# Altium PCB Блок 1а (БУ АРМ).PcbDoc (part 1 of 4) (continued)
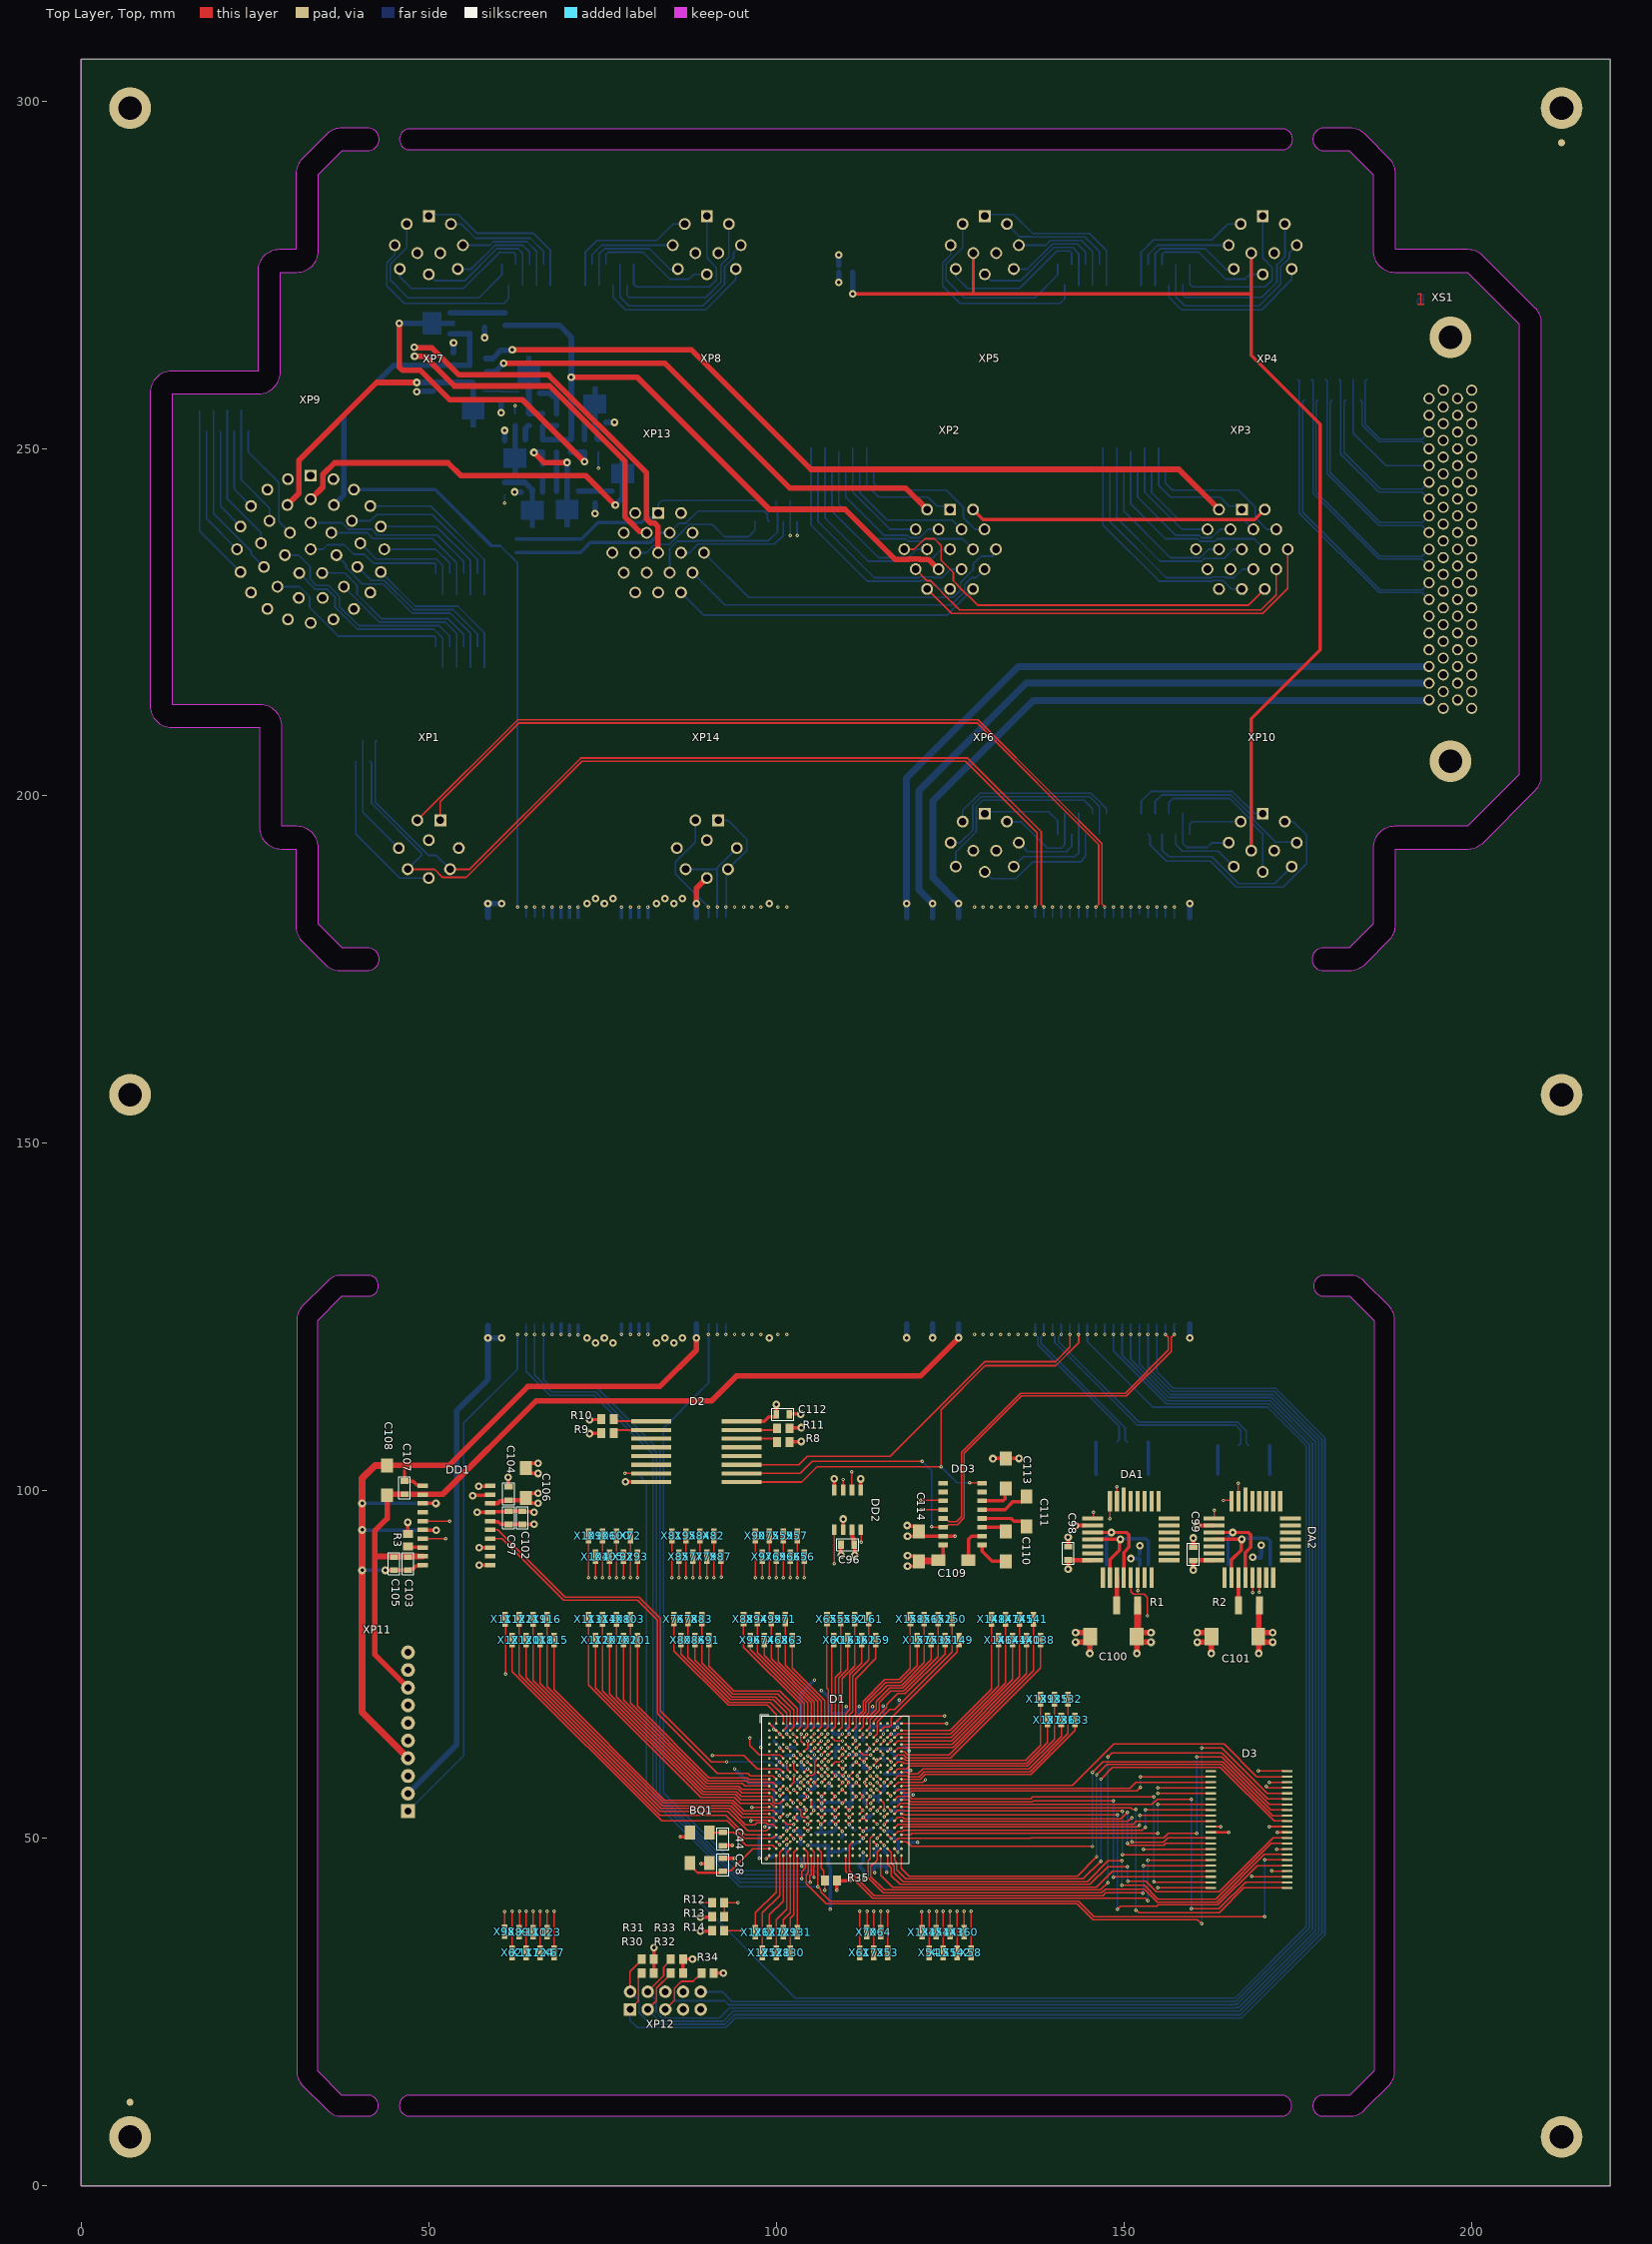
[diagram p0: Top Layer, Top view]
## Design rules (kind name [scope] priority, off if disabled: settings)
Clearance [All] p1: gap=0.2 ignorepadtopadclearanceinfootprint=FALSE
Height [All] p1 off: minheight=0 maxheight=25.4 prefheight=12.7
HoleSize [All] p1: absolutevalues=TRUE maxlimit=5 minlimit=0.025 maxpercent=80.000 minpercent=20.000
HoleToHoleClearance [All] p1: gap=0.3 allowstackedmicrovias=TRUE
MinimumSolderMaskSliver [All] p1: minsoldermaskwidth=0.1
PlaneClearance PadClr_N:CX0Y0D145AM [InPadClass('N:CX0Y0D145AM')] p1: clearance=0.5
PlaneClearance PadClr_N:CX0Y0D80TM [InPadClass('N:CX0Y0D80TM')] p2: clearance=1.016
PlaneClearance PadClr_N:NCX185Y185D130AM [InPadClass('N:NCX185Y185D130AM')] p3: clearance=0.5
PlaneClearance PadClr_P:CX270Y270D200AM [InPadClass('P:CX270Y270D200AM')] p4: clearance=0.5
PlaneClearance PadClr_P:CX600Y600D340AM [InPadClass('P:CX600Y600D340AM')] p5: clearance=1
PlaneClearance [All] p6: clearance=0.25
PlaneConnect PadTherm_N:CX0Y0D145AM [InPadClass('N:CX0Y0D145AM')] p1: planeconnectstyle=Relief reliefexpansion=0.275 reliefentries=4 reliefconductorwidth=0.5 reliefairgap=0.5
PlaneConnect PadTherm_N:CX0Y0D80TM [InPadClass('N:CX0Y0D80TM')] p2: planeconnectstyle=Relief reliefexpansion=0.175 reliefentries=4 reliefconductorwidth=0.233 reliefairgap=0.175
PlaneConnect PadTherm_N:CX300Y300D190TM [InPadClass('N:CX300Y300D190TM')] p3: planeconnectstyle=Relief reliefexpansion=0.475 reliefentries=4 reliefconductorwidth=0.633 reliefairgap=0.475
PlaneConnect PadTherm_N:NCX185Y185D130AM [InPadClass('N:NCX185Y185D130AM')] p4: planeconnectstyle=Relief reliefexpansion=0.325 reliefentries=4 reliefconductorwidth=0.4 reliefairgap=0.325
PlaneConnect PadTherm_P:CX130Y130D70AM [InPadClass('P:CX130Y130D70AM')] p5: planeconnectstyle=Relief reliefexpansion=0.3 reliefentries=4 reliefconductorwidth=0.25 reliefairgap=0.25
PlaneConnect PadTherm_P:CX135Y135D85AM [InPadClass('P:CX135Y135D85AM')] p6: planeconnectstyle=Relief reliefexpansion=0.213 reliefentries=4 reliefconductorwidth=0.283 reliefairgap=0.212
PlaneConnect PadTherm_P:CX150Y150D85AM [InPadClass('P:CX150Y150D85AM')] p7: planeconnectstyle=Relief reliefexpansion=0.213 reliefentries=4 reliefconductorwidth=0.283 reliefairgap=0.212
PlaneConnect PadTherm_P:CX150Y150D90AM [InPadClass('P:CX150Y150D90AM')] p8: planeconnectstyle=Relief reliefexpansion=0.3 reliefentries=4 reliefconductorwidth=0.3 reliefairgap=0.3
PlaneConnect PadTherm_P:CX170Y170D110AM [InPadClass('P:CX170Y170D110AM')] p9: planeconnectstyle=Relief reliefexpansion=0.3 reliefentries=4 reliefconductorwidth=0.3 reliefairgap=0.3
PlaneConnect PadTherm_P:CX175Y175D95AM [InPadClass('P:CX175Y175D95AM')] p10: planeconnectstyle=Relief reliefexpansion=0.275 reliefentries=4 reliefconductorwidth=0.3 reliefairgap=0.25
PlaneConnect PadTherm_P:CX250Y250D130TM [InPadClass('P:CX250Y250D130TM')] p11: planeconnectstyle=Relief reliefexpansion=0.325 reliefentries=4 reliefconductorwidth=0.4 reliefairgap=0.325
PlaneConnect PadTherm_P:CX270Y270D200AM [InPadClass('P:CX270Y270D200AM')] p12: planeconnectstyle=Relief reliefexpansion=0.5 reliefentries=4 reliefconductorwidth=0.667 reliefairgap=0.5
PlaneConnect PadTherm_P:CX600Y600D340AM [InPadClass('P:CX600Y600D340AM')] p13: planeconnectstyle=Relief reliefexpansion=0.85 reliefentries=4 reliefconductorwidth=1.133 reliefairgap=0.85
PlaneConnect PadTherm_P:OX40Y40D0TM [InPadClass('P:OX40Y40D0TM')] p14: planeconnectstyle=Relief reliefexpansion=0 reliefentries=4 reliefconductorwidth=0 reliefairgap=0
PlaneConnect PadTherm_P:POLIGON [InPadClass('P:POLIGON')] p15: planeconnectstyle=NoConnect reliefexpansion=0.508 reliefentries=4 reliefconductorwidth=0.254 reliefairgap=0.254
PlaneConnect PadTherm_P:Polygon_1Noga [InPadClass('P:Polygon_1Noga')] p16: planeconnectstyle=NoConnect reliefexpansion=0.508 reliefentries=4 reliefconductorwidth=0.254 reliefairgap=0.254
PlaneConnect PadTherm_P:RX110Y140D0TM [InPadClass('P:RX110Y140D0TM')] p17: planeconnectstyle=Relief reliefexpansion=0 reliefentries=4 reliefconductorwidth=0 reliefairgap=0
PlaneConnect PadTherm_P:RX110Y50D0TM [InPadClass('P:RX110Y50D0TM')] p18: planeconnectstyle=Relief reliefexpansion=0 reliefentries=4 reliefconductorwidth=0 reliefairgap=0
PlaneConnect PadTherm_P:RX120Y130D0TD [InPadClass('P:RX120Y130D0TD')] p19: planeconnectstyle=Relief reliefexpansion=0 reliefentries=4 reliefconductorwidth=0 reliefairgap=0
PlaneConnect "PadTherm_P:RX120Y130D0TD [1]" [InPadClass('P:RX120Y130D0TD [1]')] p20: planeconnectstyle=Relief reliefexpansion=0 reliefentries=4 reliefconductorwidth=0 reliefairgap=0
PlaneConnect PadTherm_P:RX200Y150D0TM [InPadClass('P:RX200Y150D0TM')] p21: planeconnectstyle=Relief reliefexpansion=0 reliefentries=4 reliefconductorwidth=0 reliefairgap=0
PlaneConnect PadTherm_P:RX210Y40D0TM [InPadClass('P:RX210Y40D0TM')] p22: planeconnectstyle=Relief reliefexpansion=0 reliefentries=4 reliefconductorwidth=0 reliefairgap=0
PlaneConnect PadTherm_P:RX210Y80D0TM [InPadClass('P:RX210Y80D0TM')] p23: planeconnectstyle=Relief reliefexpansion=0 reliefentries=4 reliefconductorwidth=0 reliefairgap=0
PlaneConnect PadTherm_P:RX300Y150D0TМ [InPadClass('P:RX300Y150D0TМ')] p24: planeconnectstyle=Relief reliefexpansion=0 reliefentries=4 reliefconductorwidth=0 reliefairgap=0
PlaneConnect PadTherm_P:RX300Y160D0TM [InPadClass('P:RX300Y160D0TM')] p25: planeconnectstyle=Relief reliefexpansion=0 reliefentries=4 reliefconductorwidth=0 reliefairgap=0
PlaneConnect PadTherm_P:RX300Y390D0TM [InPadClass('P:RX300Y390D0TM')] p26: planeconnectstyle=Relief reliefexpansion=0 reliefentries=4 reliefconductorwidth=0 reliefairgap=0
PlaneConnect PadTherm_P:RX300Y60D0TМ [InPadClass('P:RX300Y60D0TМ')] p27: planeconnectstyle=Relief reliefexpansion=0 reliefentries=4 reliefconductorwidth=0 reliefairgap=0
PlaneConnect PadTherm_P:RX32Y36D0TD [InPadClass('P:RX32Y36D0TD')] p28: planeconnectstyle=Relief reliefexpansion=0 reliefentries=4 reliefconductorwidth=0 reliefairgap=0
PlaneConnect PadTherm_P:RX330Y150D0TM [InPadClass('P:RX330Y150D0TM')] p29: planeconnectstyle=Relief reliefexpansion=0 reliefentries=4 reliefconductorwidth=0 reliefairgap=0
PlaneConnect PadTherm_P:RX350Y60D0TM [InPadClass('P:RX350Y60D0TM')] p30: planeconnectstyle=Relief reliefexpansion=0 reliefentries=4 reliefconductorwidth=0 reliefairgap=0
PlaneConnect PadTherm_P:RX375Y125D0TM [InPadClass('P:RX375Y125D0TM')] p31: planeconnectstyle=Relief reliefexpansion=0 reliefentries=4 reliefconductorwidth=0 reliefairgap=0
PlaneConnect PadTherm_P:RX500Y125D0TM [InPadClass('P:RX500Y125D0TM')] p32: planeconnectstyle=Relief reliefexpansion=0 reliefentries=4 reliefconductorwidth=0 reliefairgap=0
PlaneConnect "PadTherm_P:RX575Y60D0TM [1]" [InPadClass('P:RX575Y60D0TM [1]')] p33: planeconnectstyle=Relief reliefexpansion=0 reliefentries=4 reliefconductorwidth=0 reliefairgap=0
PlaneConnect "PadTherm_P:RX575Y60D0TMK [1]" [InPadClass('P:RX575Y60D0TMK [1]')] p34: planeconnectstyle=Relief reliefexpansion=0 reliefentries=4 reliefconductorwidth=0 reliefairgap=0
PlaneConnect PadTherm_P:RX60Y30D0TD [InPadClass('P:RX60Y30D0TD')] p35: planeconnectstyle=Relief reliefexpansion=0 reliefentries=4 reliefconductorwidth=0 reliefairgap=0
PlaneConnect PadTherm_P:RX70Y26D0TD [InPadClass('P:RX70Y26D0TD')] p36: planeconnectstyle=Relief reliefexpansion=0 reliefentries=4 reliefconductorwidth=0 reliefairgap=0
PlaneConnect PadTherm_P:RX85Y100D0TD [InPadClass('P:RX85Y100D0TD')] p37: planeconnectstyle=Relief reliefexpansion=0 reliefentries=4 reliefconductorwidth=0 reliefairgap=0
PlaneConnect PadTherm_P:RX85Y60D0TD [InPadClass('P:RX85Y60D0TD')] p38: planeconnectstyle=Relief reliefexpansion=0 reliefentries=4 reliefconductorwidth=0 reliefairgap=0
PlaneConnect PadTherm_P:SX130Y130D70AM [InPadClass('P:SX130Y130D70AM')] p39: planeconnectstyle=Relief reliefexpansion=0.3 reliefentries=4 reliefconductorwidth=0.25 reliefairgap=0.25
PlaneConnect PadTherm_P:SX170Y170D110AM [InPadClass('P:SX170Y170D110AM')] p40: planeconnectstyle=Relief reliefexpansion=0.3 reliefentries=4 reliefconductorwidth=0.3 reliefairgap=0.3
PlaneConnect PadTherm_P:SX54Y54D0TD [InPadClass('P:SX54Y54D0TD')] p41: planeconnectstyle=Relief reliefexpansion=0 reliefentries=4 reliefconductorwidth=0 reliefairgap=0
PlaneConnect PadTherm_P:SX670Y670D0TM [InPadClass('P:SX670Y670D0TM')] p42: planeconnectstyle=Relief reliefexpansion=0 reliefentries=4 reliefconductorwidth=0 reliefairgap=0
PlaneConnect PadTherm_reper [InPadClass('reper')] p43: planeconnectstyle=Relief reliefexpansion=0 reliefentries=4 reliefconductorwidth=0 reliefairgap=0
PlaneConnect [All] p44: planeconnectstyle=Relief reliefexpansion=0.508 reliefentries=4 reliefconductorwidth=0.254 reliefairgap=0.254
PolygonConnect [All] p1: connectstyle=Direct reliefconductorwidth=0.254 reliefentries=4 polygonreliefangle="90 Angle" airgapwidth=0.254
RoutingVias [All] p1: holewidth=0.3 width=0.7 viastyle="Through Hole" minholewidth=0.2 minwidth=0.4 maxholewidth=3 maxwidth=5
SilkToSilkClearance [All] p1 off: silktosilkclearance=0.1
SilkToSolderMaskClearance [IsPad] p1 off: minsilkscreentomaskgap=0.1 clearancetoexposedcopper=TRUE
SolderMaskExpansion [All] p1: expansion=0.05 istentingtop=FALSE
UnRoutedNet [InNetClass('All Nets')] p1:
Width [All] p1: maxlimit=3 minlimit=0.2 preferedwidth=0.25
21 further rules are at their usual default settings.

## Classes and differential pairs
component class MCU2: X52 X53 X54 X55 X56 X57 X58 X59 X60 X61 X62 X63 X64 X65 X66 X67 X68 X69 X70 X71 X72 X73 X74 X75 X76 X77 X78 X79 X80 X81 X82 X83 X84 X85 X86 X87 X88 X89 X90 X91 X92 X93 X94 X95 X96 X97 X98 X99 X100 X101 X102 X103 X104 X105 X106 X107 X108 X109 X110 X111 X112 X113 X114 X115 X116 X117 X118 X119 X120 X121 X122 X123 X124 X125 X126 X127 X128 X129 X130 X131 X132 X133 X134 X135 X136 X137 X138 X139 X140 X141 X142 X143 X144 X145 X146 X147 X148 X149 X150 X151 X152 X153 X154 X155 X156 X157 X158 X159 X160 X161 X162 X163
component class MCU1: BQ1 C1 C2 C4 C5 C7 C8 C10 C11 C13 C14 C16 C17 C19 C20 C22 C23 C25 C26 C28 C29 C30 C32 C33 C35 C36 C38 C39 C41 C43 C44 C46 C48 C50 C53 C56 C58 C59 C61 C62 C64 C65 C67 C70 C73 C76 C79 C82 D1
component class InternalConnection: D3 N1 N2 N3 N4 N5 N6 N7 N8 N9 N10 N11 N12 N13 N14 N15 N16 N17 N18 N19 N20 N21 N22 N27 N28 N29 N30 N31 N32 N33 N34 N35 N36 N37 N38 N39 N40 N41 N42 N43 N44 N45 N46 N47 N48 N49 N50 N51 N52 N53 N54 N55 N56 N57 N58 N59 N60 N61 N62 N63 N64 N65 N66 N67 N68 N69 N70 N75 N76 N77 N78 N79 N80 N81 N82 R30 R31 R32 R33 R34 R35 VD5 X164 X165 X166 X167 X168 X169 X170 X171 X172 X173 X174 X175 X176 X177 X178 X179 X180 X181 X182 X183 X184 X185 X186 X187 X188 X189 X190 X191 X192 X193 X194 X195 X196 X197 X198 X199 X200 X201 X202 X203 X204 X205 X206 X207 X208 X209 X210 X211 X212 X213 X214 X215 X216 X217 X218 X219 X220 X221 X222 X223 X224 X225 X226 X227 X228 XP11 XP12 XS1
component class InterfMCU: C96 C97 C98 C99 C100 C101 C102 C103 C104 C105 C106 C107 C108 C109 C110 C111 C112 C113 C114 D2 DA1 DA2 DD1 DD2 DD3 K1 R1 R2 R3 R4 R5 R6 R7 R8 R9 R10 R11 R12 R13 R14 R15 R16 R17 R18 R19 R20 R21 R22 R23 R24 R25 R26 R27 R28 R29 VD2 VD3 VD4 VT1 VT2 VT3 VT4 VT5 VT6 Т1 Т2
component class ExternalConnection: VD1 X1 X2 X3 X4 X5 X6 X7 X8 X9 X10 X11 X12 X13 X14 X15 X16 X17 X18 X19 X20 X21 X22 X23 X24 X25 X26 X27 X28 X29 X30 X31 X32 X33 X34 X35 X36 X37 X38 X39 X40 X41 X42 X43 X44 X45 X46 X47 X48 X49 X50 X51 XP1 XP2 XP3 XP4 XP5 XP6 XP7 XP8 XP9 XP10 XP13 XP14
pad class reper: Free-486
pad class P:SX670Y670D0TM: VD1-4 VD2-2 VD2-4
pad class P:SX54Y54D0TD: C28-1 C28-2 C44-1 C44-2 R1-1 R1-2 R2-1 R2-2 R3-1 R3-2 R4-1 R4-2 R5-1 R5-2 R6-1 R6-2 R7-1 R7-2 R8-1 R8-2 R9-1 R9-2 R10-1 R10-2 R11-1 R11-2 R12-1 R12-2 R13-1 R13-2 R14-1 R14-2 R15-1 R15-2 R16-1 R16-2 R17-1 R17-2 R18-1 R18-2 R19-1 R19-2 R20-1 R20-2 R21-1 R21-2 R22-1 R22-2 R23-1 R23-2 R24-1 R24-2 R25-1 R25-2 R26-1 R26-2 R27-1 R27-2 R32-1 R32-2 R33-1 R33-2 R34-1 R34-2
pad class P:SX170Y170D110AM: XP1-A XP2-A XP3-A XP4-A XP5-A XP6-A XP7-A XP8-A XP9-A XP10-A XP11-A XP12-A
pad class P:RX60Y30D0TD: VT1-1 VT1-3 VT2-1 VT2-3 VT3-1 VT3-3 VT4-1 VT4-3 VT5-1 VT5-3 VT6-1 VT6-3
pad class P:RX330Y150D0TM: R35-1 R35-2
pad class P:RX32Y36D0TD: VD3-1 VD3-2 VD3-3 VD4-1 VD4-2 VD4-3
pad class P:RX300Y160D0TM: VD2-1 VD2-3
pad class P:RX210Y80D0TM: D3-2 D3-3 D3-4 D3-5 D3-6 D3-7 D3-8 K1-11 K1-12 K1-13 K1-21 K1-22 K1-23 K1-A K1-B N1-1 N2-1 N3-1 N4-1 N5-1 N6-1 N7-1 N8-1 N9-1 N10-1 N11-1 N12-1 N13-1 N14-1 N15-1 N16-1 N17-1 N18-1 N19-1 N20-1 N21-1 N22-1 N27-1 N28-1 N29-1 N30-1 N31-1 N32-1 N33-1 N34-1 N35-1 N36-1 N37-1 N38-1 N39-1 N40-1 N41-1 N42-1 N43-1 N44-1 N45-1 N46-1 N47-1 N48-1 N49-1 N50-1 N51-1 N52-1 N53-1 N54-1 N55-1 N56-1 N57-1 N58-1 N59-1 N60-1 N61-1 N62-1 N63-1 N64-1 N65-1 N66-1 N67-1 N68-1 N69-1 N70-1 N75-1 N76-1 N77-1 N78-1 N79-1 N80-1 N81-1 N82-1
pad class P:RX200Y150D0TM: BQ1-1 BQ1-2 BQ1-3 BQ1-4
pad class P:RX110Y50D0TM: XP13-1 XP13-2 XP13-3 XP13-4 XP13-5 XP13-6 XP13-7 XP13-8 XP13-9 XP13-10 XP13-11 XP13-12 XP13-13 XP13-14 XP13-15 XP13-16 XP13-17 XP13-18 XP13-19 XP13-20 XP13-21 XP13-22 XP13-23 XP13-24 XP13-25 XP13-26 XP13-27 XP13-28 XP13-29 XP13-30 XP13-31 XP13-32 XP13-33 XP13-34 XP13-35 XP13-36 XP13-37 XP13-38 XP13-39 XP13-40 XP13-41 XP13-42 XP13-43 XP13-44 XP13-45 XP13-46 XP13-47 XP13-48 XP13-49 XP13-50 XP13-51 XP13-52 XP13-53 XP13-54 XP13-55 XP13-56 XP13-57 XP13-58 XP13-59 XP13-60 XP13-61 XP13-62 XP13-63 XP13-64 XP13-65 XP13-66 XP13-67 XP13-68 XP13-69 XP13-70 XP13-71 XP13-72 XP13-73 XP13-74 XP13-75 XP13-76 XP13-77 XP13-78 XP13-79 XP13-80 XP13-81 XP13-82 XP13-83 XP13-84 XP13-85 XP13-86 XP13-87 XP13-88 XP13-89 XP13-90 XP13-91 XP13-92 XP13-93 XP13-94 XP13-95 XP13-96 XP13-97 XP13-98 XP13-99 XP13-100 XP14-1 XP14-2 XP14-3 XP14-4 XP14-5 XP14-6 XP14-7 XP14-8 XP14-9 XP14-10 XP14-11 XP14-12 XP14-13 XP14-14 XP14-15 XP14-16 XP14-17 XP14-18 XP14-19 XP14-20 XP14-21 XP14-22 XP14-23 XP14-24 XP14-25 XP14-26 XP14-27 XP14-28 XP14-29 XP14-30 XP14-31 XP14-32 XP14-33 XP14-34 XP14-35 XP14-36 XP14-37 XP14-38 XP14-39 XP14-40 XP14-41 XP14-42 XP14-43 XP14-44 XP14-45 XP14-46 XP14-47 XP14-48 XP14-49 XP14-50 XP14-51 XP14-52 XP14-53 XP14-54 XP14-55 XP14-56 XP14-57 XP14-58 XP14-59 XP14-60 XP14-61 XP14-62 XP14-63 XP14-64 XP14-65 XP14-66 XP14-67 XP14-68 XP14-69 XP14-70 XP14-71 XP14-72 XP14-73 XP14-74 XP14-75 XP14-76 XP14-77 XP14-78 XP14-79 XP14-80 XP14-81 XP14-82 XP14-83 XP14-84 XP14-85 XP14-86 XP14-87 XP14-88 XP14-89 XP14-90 XP14-91 XP14-92 XP14-93 XP14-94 XP14-95 XP14-96 XP14-97 XP14-98 XP14-99 XP14-100
pad class P:RX110Y140D0TM: R28-1 R28-2 R29-1 R29-2 R30-1 R30-2 R31-1 R31-2
pad class P:Polygon_1Noga: D3-1
pad class P:POLIGON: VT1-2 VT2-2 VT3-2 VT4-2 VT5-2 VT6-2
pad class P:CX600Y600D340AM: Free-0 XS1-79 XS1-80
pad class P:CX250Y250D130TM: D1-1 D1-2 D1-3 D1-4 D1-5 D1-6
pad class P:CX170Y170D110AM: XP1-B XP1-C XP1-D XP1-E XP1-F XP1-G XP1-H XP1-J XP1-K XP1-L XP1-M XP1-N XP1-P XP1-R XP1-S XP1-T XP1-U XP1-V XP2-B XP2-C XP2-D XP2-E XP2-F XP2-G XP2-H XP2-J XP2-K XP2-L XP2-M XP2-N XP2-P XP2-R XP2-S XP2-T XP2-U XP2-V XP3-B XP3-C XP3-D XP3-E XP3-F XP3-G XP3-H XP3-J XP3-K XP3-L XP3-M XP3-N XP3-P XP3-R XP3-S XP3-T XP3-U XP3-V XP4-B XP4-C XP4-D XP4-E XP4-F XP4-G XP4-H XP5-B XP5-C XP5-D XP5-E XP5-F XP5-G XP5-H XP5-K XP5-L XP6-B XP6-C XP6-D XP6-E XP6-F XP6-G XP6-H XP6-K XP6-L XP7-B XP7-C XP7-D XP7-E XP7-F XP7-G XP7-H XP7-K XP7-L XP8-B XP8-C XP8-D XP8-E XP8-F XP8-G XP8-H XP8-K XP8-L XP9-B XP9-C XP9-D XP9-E XP9-F XP9-G XP9-H XP9-K XP9-L XP10-aa XP10-B XP10-bb XP10-C XP10-cc XP10-D XP10-dd XP10-E XP10-ee XP10-F XP10-ff XP10-G XP10-gg XP10-H XP10-hh XP10-ii XP10-J XP10-jj XP10-K XP10-kk XP10-L XP10-M XP10-mm XP10-N XP10-nn XP10-P XP10-pp XP10-qq XP10-R XP10-rr XP10-S XP10-ss XP10-T XP10-tt XP10-U XP10-V XP10-W XP10-X XP10-Y XP10-Z XP11-B XP11-C XP11-D XP11-E XP11-F XP11-G XP11-H XP12-B XP12-C XP12-D XP12-E XP12-F XP12-G XP12-H XP12-K XP12-L XS1-1 XS1-2 XS1-3 XS1-4 XS1-5 XS1-6 XS1-7 XS1-8 XS1-9 XS1-10 XS1-11 XS1-12 XS1-13 XS1-14 XS1-15 XS1-16 XS1-17 XS1-18 XS1-19 XS1-20 XS1-21 XS1-22 XS1-23 XS1-24 XS1-25 XS1-26 XS1-27 XS1-28 XS1-29 XS1-30 XS1-31 XS1-32 XS1-33 XS1-34 XS1-35 XS1-36 XS1-37 XS1-38 XS1-39 XS1-40 XS1-41 XS1-42 XS1-43 XS1-44 XS1-45 XS1-46 XS1-47 XS1-48 XS1-49 XS1-50 XS1-51 XS1-52 XS1-53 XS1-54 XS1-55 XS1-56 XS1-57 XS1-58 XS1-59 XS1-60 XS1-61 XS1-62 XS1-63 XS1-64 XS1-65 XS1-66 XS1-67 XS1-68 XS1-69 XS1-70 XS1-71 XS1-72 XS1-73 XS1-74 XS1-75 XS1-76 XS1-77 XS1-78
pad class P:CX150Y150D85AM: XP13-103 XP13-104 XP14-103 XP14-104
pad class N:CX0Y0D145AM: XP13-101 XP13-102 XP14-101 XP14-102

## Components (designator, comment, footprint, x,y, rotation, side; value= is the part's Value field where it differs from the comment)
BQ1 "Резонатор РК463-5ДС-16,0М" RK463_BQ_RK-463(Primary) 88.942,48.636 r270 top
C1 "22 мкФ" К53-67 109.75,46 r180 bottom
C2 "22 мкФ" К53-67 105.66,67.924 r0 bottom
C4 "0.1 мкФ" C0805 105.692,49.836 r270 bottom
C5 "0.1 мкФ" C0805 109.392,49.136 r270 bottom
C7 "0.1 мкФ" C0805 107.492,49.836 r270 bottom
C8 "0.1 мкФ" C0805 108.492,60.747 r90 bottom
C10 "0.1 мкФ" C0805 100.594,47.651 r180 bottom
C11 "0.1 мкФ" C0805 111.746,55.036 r0 bottom
C13 "0.1 мкФ" C0805 111.792,67.036 r90 bottom
C14 "0.1 мкФ" C0805 111.796,56.949 r0 bottom
C16 "0.1 мкФ" C0805 116.292,56.936 r0 bottom
C17 "0.1 мкФ" C0805 117.642,60.226 r270 bottom
C19 "0.1 мкФ" C0805 115.592,54.991 r0 bottom
C20 "0.1 мкФ" C0805 115.542,67.036 r90 bottom
C22 "0.1 мкФ" C0805 111.636,60.054 r180 bottom
C23 "0.1 мкФ" C0805 117.642,68.036 r90 bottom
C25 "0.1 мкФ" C0805 113.592,52.236 r270 bottom
C26 "0.1 мкФ" C0805 113.792,67.036 r90 bottom
C28 "15 пФ" C0805 92.292,46.186 r90 top
C29 "0.1 мкФ" C0805 111.392,50.236 r270 bottom
C30 "0.1 мкФ" C0805 105.492,60.136 r90 bottom
C32 "0.1 мкФ" C0805 101.65,54.04 r180 bottom
C33 "0.1 мкФ" C0805 105.392,56.136 r270 bottom
C35 "0.1 мкФ" C0805 102.45,56.011 r180 bottom
C36 "0.1 мкФ" C0805 107.492,53.036 r270 bottom
C38 "0.1 мкФ" C0805 117.642,64.036 r270 bottom
C39 "0.1 мкФ" C0805 107.492,56.136 r90 bottom
C41 "0.1 мкФ" C0805 101.55,57.986 r180 bottom
C43 "0.1 мкФ" C0805 112.521,63.098 r90 bottom
C44 "15 пФ" C0805 92.292,49.886 r270 top
C46 "0.1 мкФ" C0805 115.492,60.226 r270 bottom
C48 "0.1 мкФ" C0805 108.492,64.036 r270 bottom
C50 "0.1 мкФ" C0805 115.892,46.936 r270 bottom
C53 "0.1 мкФ" C0805 116.679,51.759 r90 bottom
C56 "0.1 мкФ" C0805 100.594,66.239 r180 bottom
C58 "0.1 мкФ" C0805 118.392,54.736 r90 bottom
C59 "0.1 мкФ" C0805 102.717,59.93 r180 bottom
C61 "0.1 мкФ" C0805 103.492,51.861 r90 bottom
C62 "0.1 мкФ" C0805 100.594,52.136 r180 bottom
C64 "0.1 мкФ" C0805 98.492,50.236 r180 bottom
C65 "0.1 мкФ" C0805 103.674,62.961 r0 bottom
C67 "0.1 мкФ" C0805 103.492,48.086 r270 bottom
C70 "0.1 мкФ" C0805 110.092,67.036 r90 bottom
C73 "0.1 мкФ" C0805 100.492,62.036 r180 bottom
C76 "0.1 мкФ" C0805 98.792,64.036 r180 bottom
C79 "0.1 мкФ" C0805 118.492,49.436 r0 bottom
C82 "0.1 мкФ" C0805 114.092,46.936 r270 bottom
C96 "0.1 мкФ" C0805 110.254,92.251 r180 top
C97 "0.1 мкФ" C0805 61.464,96.097 r90 top
C98 "0.1 мкФ" C0805 142,91 r90 top
C99 "0.1 мкФ" C0805 160,90.9 r90 top
C100 "100 пФ" К53-68E 148.5,79 r180 top
C101 "100 пФ" К53-68E 166,79 r180 top
C102 "0.01 пФ" C0805 63.464,96.097 r270 top
C103 "0.01 пФ" C0805 47,89.5 r270 top
C104 "0.1 мкФ" C0805 61.464,99.597 r90 top
C105 "0.1 мкФ" C0805 45,89.5 r270 top
C106 "10 пФ" К53-67 63.964,101.097 r90 top
C107 "0.1 мкФ" C0805 46.5,100.45 r90 top
C108 "10 пФ" К53-67 44,101.5 r90 top
C109 "0.1 мкФ" К53-67 125.5,90 r0 top value=4.7мкФ
C110 "0.1 мкФ" К53-67 133,92 r90 top value=4.7мкФ
C111 "0.1 мкФ" К53-67 136,97 r90 top value=4.7мкФ
C112 "0.1 мкФ" C0805 100.95,111 r0 top
C113 "0.1 мкФ" К53-67 133,102.5 r90 top value=4.7мкФ
C114 "0.1 мкФ" К53-67 120.5,92 r90 top value=4.7мкФ
D1 "1921ВК028" BGA-400_21.0X21.0MM_LAYOUT20X20_P1.0MM 108.5,57 r0 top
D2 "1554КП12ТБ" 1554КП12ТБ 88.5,105.5 r0 top
D3 "CY62136EV30" TSOP-44 168,53.5 r180 top value="256 КБ"
DA1 "5559ИН13У1" N09.28-1B 151,93 r270 top
DA2 "5559ИН13У1" N09.28-1B 168.5,93 r270 top
DD1 "ADM3053BRWZ-REEL7_1" SOIC-20 54,95 r180 top
DD2 "ILA82C251D" SOIC-8 110.254,97.251 r90 top
DD3 "ILX3232" SOIC-16 126.814,96.648 r180 top
K1 "РЭК60" RELE-REK61_K_RELE-REK-61(Primary) 44.794,260.125 r270 bottom value="Реле РЭК61В РВИМ.647611.008-18"
N1 "CONT" ПЛАН_ПЛОЩ 88.5,182.5 r270 bottom
N2 "CONT" ПЛАН_ПЛОЩ 88.5,124 r270 bottom
N3 "CONT" ПЛАН_ПЛОЩ 70.25,124 r270 bottom
N4 "CONT" ПЛАН_ПЛОЩ 71.5,124 r270 bottom
N5 "CONT" ПЛАН_ПЛОЩ 81.5,182.5 r270 bottom
N6 "CONT" ПЛАН_ПЛОЩ 80.25,182.5 r270 bottom
N7 "CONT" ПЛАН_ПЛОЩ 77.75,182.5 r270 bottom
N8 "CONT" ПЛАН_ПЛОЩ 67.75,182.5 r270 bottom
N9 "CONT" ПЛАН_ПЛОЩ 69,182.5 r270 bottom
N10 "CONT" ПЛАН_ПЛОЩ 70.25,182.5 r270 bottom
N11 "CONT" ПЛАН_ПЛОЩ 71.5,182.5 r270 bottom
N12 "CONT" ПЛАН_ПЛОЩ 79,182.5 r270 bottom
N13 "CONT" ПЛАН_ПЛОЩ 144.75,182.5 r270 bottom
N14 "CONT" ПЛАН_ПЛОЩ 144.75,124 r270 bottom
N15 "CONT" ПЛАН_ПЛОЩ 147.25,182.5 r270 bottom
N16 "CONT" ПЛАН_ПЛОЩ 147.25,124 r270 bottom
N17 "CONT" ПЛАН_ПЛОЩ 146,124 r270 bottom
N18 "CONT" ПЛАН_ПЛОЩ 146,182.5 r270 bottom
N19 "CONT" ПЛАН_ПЛОЩ 91.5,124 r270 bottom
N20 "CONT" ПЛАН_ПЛОЩ 91.5,182.5 r270 bottom
N21 "CONT" ПЛАН_ПЛОЩ 92.75,182.5 r270 bottom
N22 "CONT" ПЛАН_ПЛОЩ 92.75,124 r270 bottom
N27 "CONT" ПЛАН_ПЛОЩ 154.75,124 r270 bottom
N28 "CONT" ПЛАН_ПЛОЩ 154.75,182.5 r270 bottom
N29 "CONT" ПЛАН_ПЛОЩ 153.5,182.5 r270 bottom
N30 "CONT" ПЛАН_ПЛОЩ 153.5,124 r270 bottom
N31 "CONT" ПЛАН_ПЛОЩ 152.25,182.5 r270 bottom
N32 "CONT" ПЛАН_ПЛОЩ 152.25,124 r270 bottom
N33 "CONT" ПЛАН_ПЛОЩ 151,182.5 r270 bottom
N34 "CONT" ПЛАН_ПЛОЩ 151,124 r270 bottom
N35 "CONT" ПЛАН_ПЛОЩ 149.75,182.5 r270 bottom
N36 "CONT" ПЛАН_ПЛОЩ 149.75,124 r270 bottom
N37 "CONT" ПЛАН_ПЛОЩ 148.5,124 r270 bottom
N38 "CONT" ПЛАН_ПЛОЩ 148.5,182.5 r270 bottom
N39 "CONT" ПЛАН_ПЛОЩ 67.7,124 r270 bottom
N40 "CONT" ПЛАН_ПЛОЩ 69.05,124 r270 bottom
N41 "CONT" ПЛАН_ПЛОЩ 77.75,124 r270 bottom
N42 "CONT" ПЛАН_ПЛОЩ 79,124 r270 bottom
N43 "CONT" ПЛАН_ПЛОЩ 80.25,124 r270 bottom
N44 "CONT" ПЛАН_ПЛОЩ 81.5,124 r270 bottom
N45 "CONT" ПЛАН_ПЛОЩ 142.25,182.5 r270 bottom
N46 "CONT" ПЛАН_ПЛОЩ 142.25,124 r270 bottom
N47 "CONT" ПЛАН_ПЛОЩ 156,124 r270 bottom
N48 "CONT" ПЛАН_ПЛОЩ 156,182.5 r270 bottom
N49 "CONT" ПЛАН_ПЛОЩ 157.25,124 r270 bottom
N50 "CONT" ПЛАН_ПЛОЩ 157.25,182.5 r270 bottom
N51 "CONT" ПЛАН_ПЛОЩ 143.5,124 r270 bottom
N52 "CONT" ПЛАН_ПЛОЩ 143.5,182.5 r270 bottom
N53 "CONT" ПЛАН_ПЛОЩ 58.5,124 r270 bottom
N54 "CONT" ПЛАН_ПЛОЩ 58.5,182.5 r270 bottom
N55 "CONT" ПЛАН_ПЛОЩ 118.75,182.5 r270 bottom
N56 "CONT" ПЛАН_ПЛОЩ 118.75,124 r270 bottom
N57 "CONT" ПЛАН_ПЛОЩ 126.25,182.5 r270 bottom
N58 "CONT" ПЛАН_ПЛОЩ 126.25,124 r270 bottom
N59 "CONT" ПЛАН_ПЛОЩ 122.5,182.5 r270 bottom
N60 "CONT" ПЛАН_ПЛОЩ 122.5,124 r270 bottom
N61 "CONT" ПЛАН_ПЛОЩ 159.5,124 r270 bottom
N62 "CONT" ПЛАН_ПЛОЩ 159.5,182.5 r270 bottom
N63 "CONT" ПЛАН_ПЛОЩ 66.5,124 r270 bottom
N64 "CONT" ПЛАН_ПЛОЩ 66.5,182.5 r270 bottom
N65 "CONT" ПЛАН_ПЛОЩ 64,124 r270 bottom
N66 "CONT" ПЛАН_ПЛОЩ 64,182.5 r270 bottom